# Altium PCB Inductive_Leveler.PcbDoc
Units mm, origin at the board's own origin, x right, y up, seen from the top; angles counter-clockwise.
Board outline 33 x 65 mm, 6 copper layers (Top Layer, GND1, Signal1, PWR, GND2, Bottom Layer), stack 1.584 mm thick; 36 components, 20 nets, 99 pads, 64 vias.
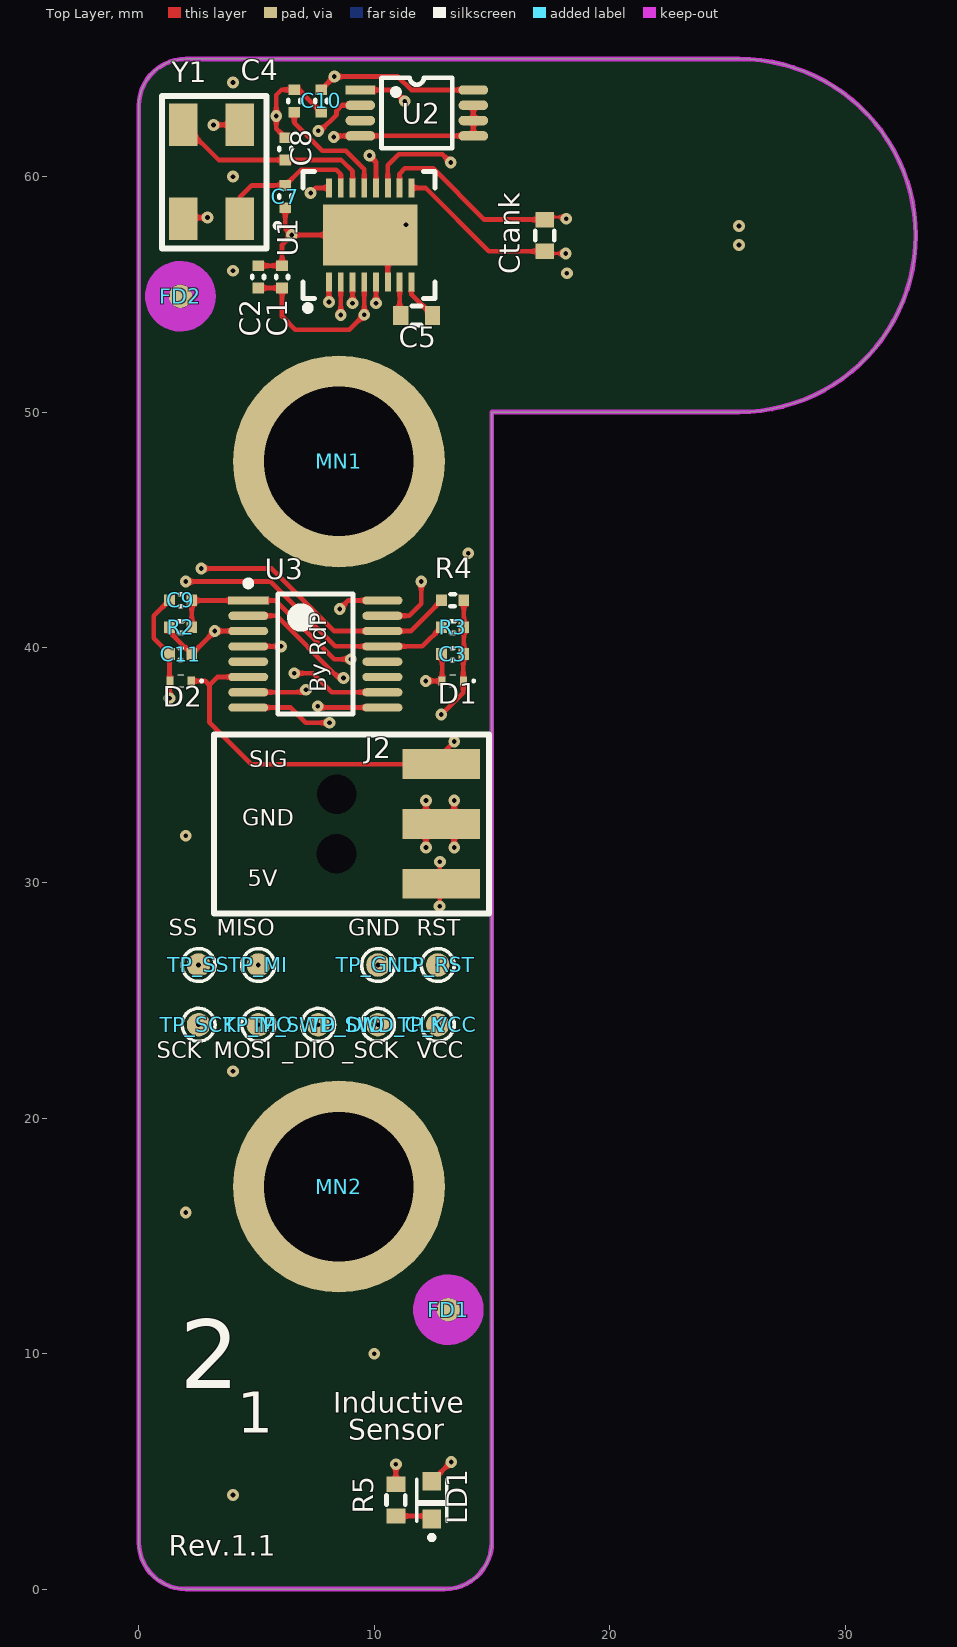
[diagram p0: Top Layer view]
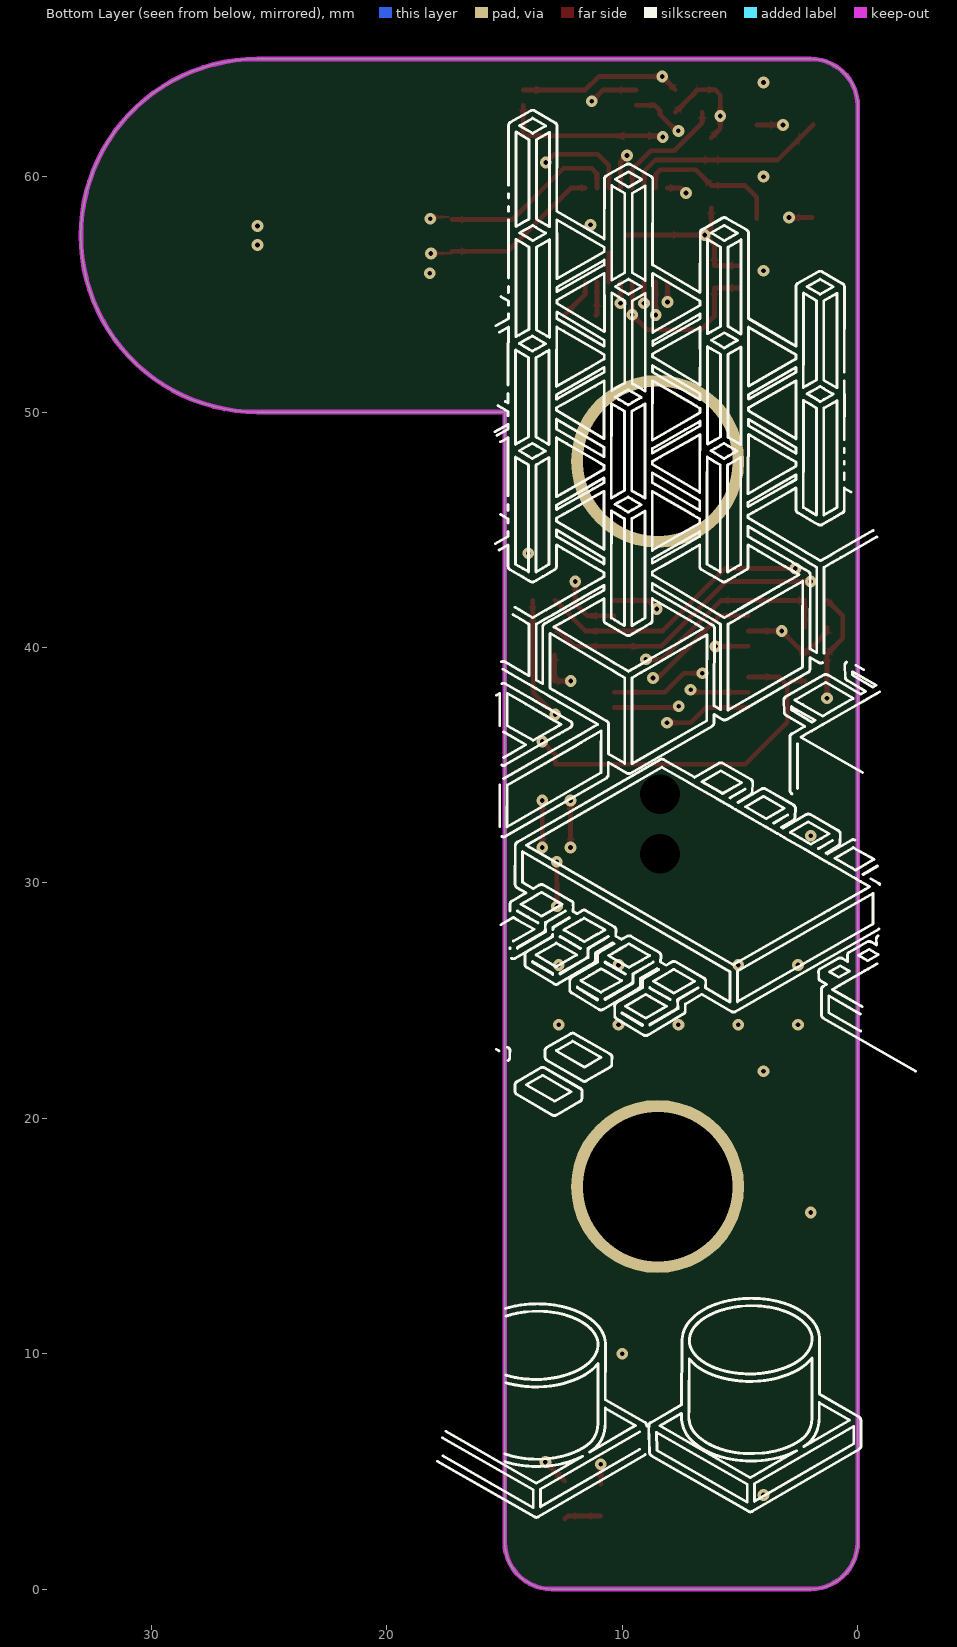
[diagram p1: Bottom Layer view, seen from below]
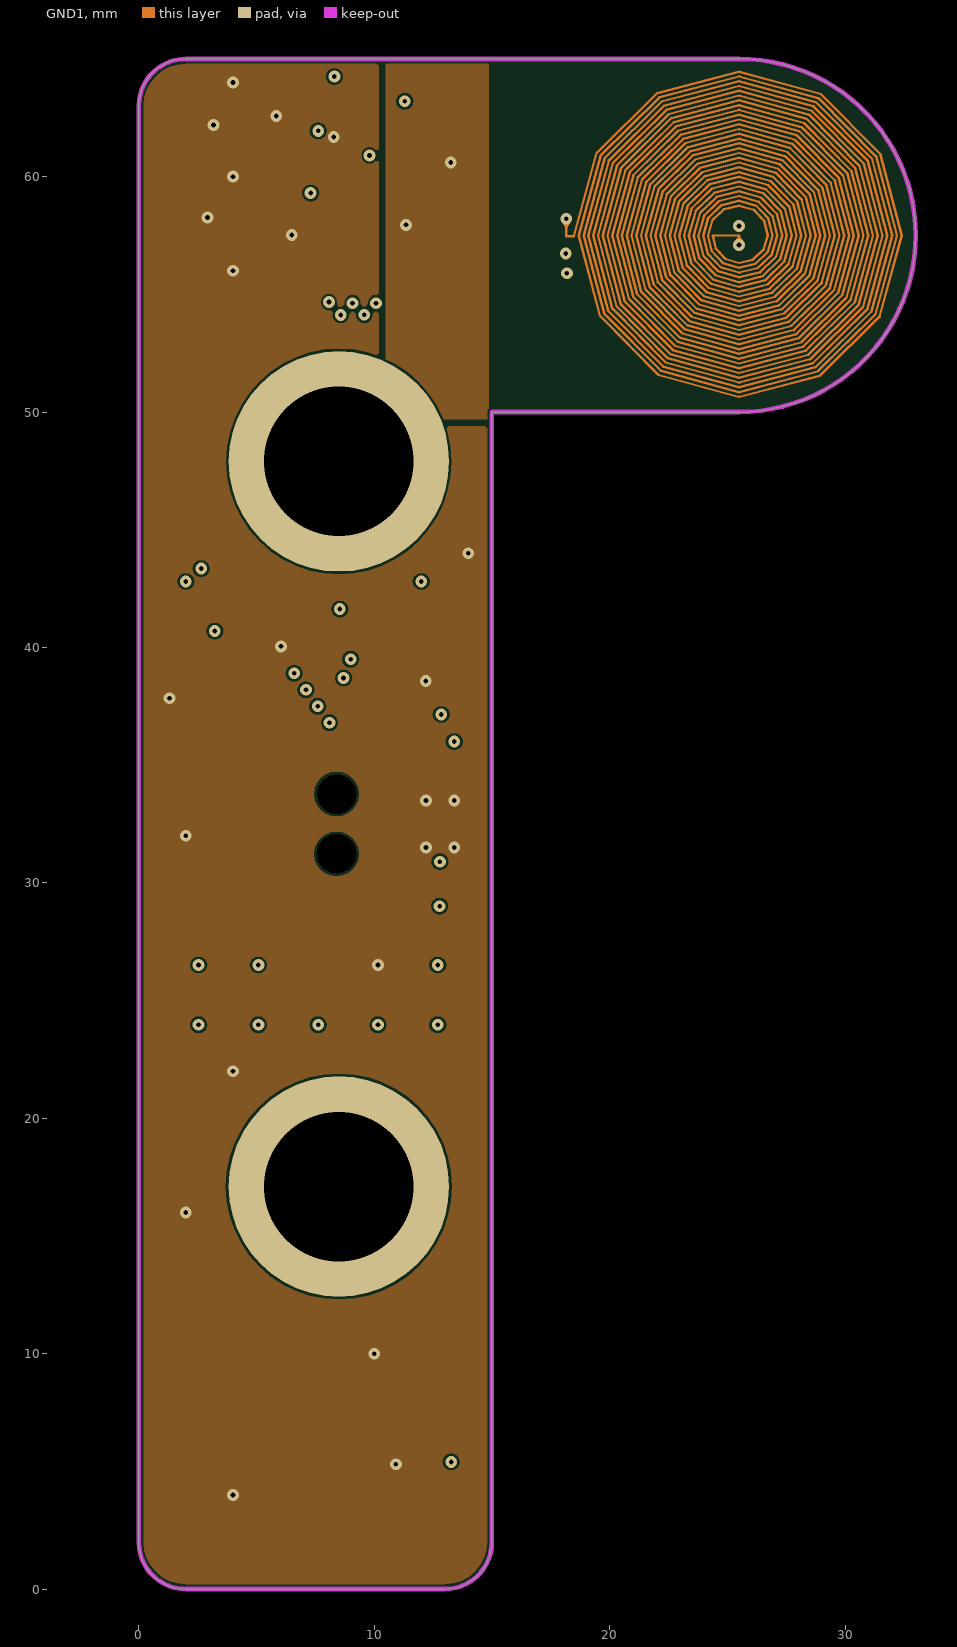
[diagram p2: GND1]
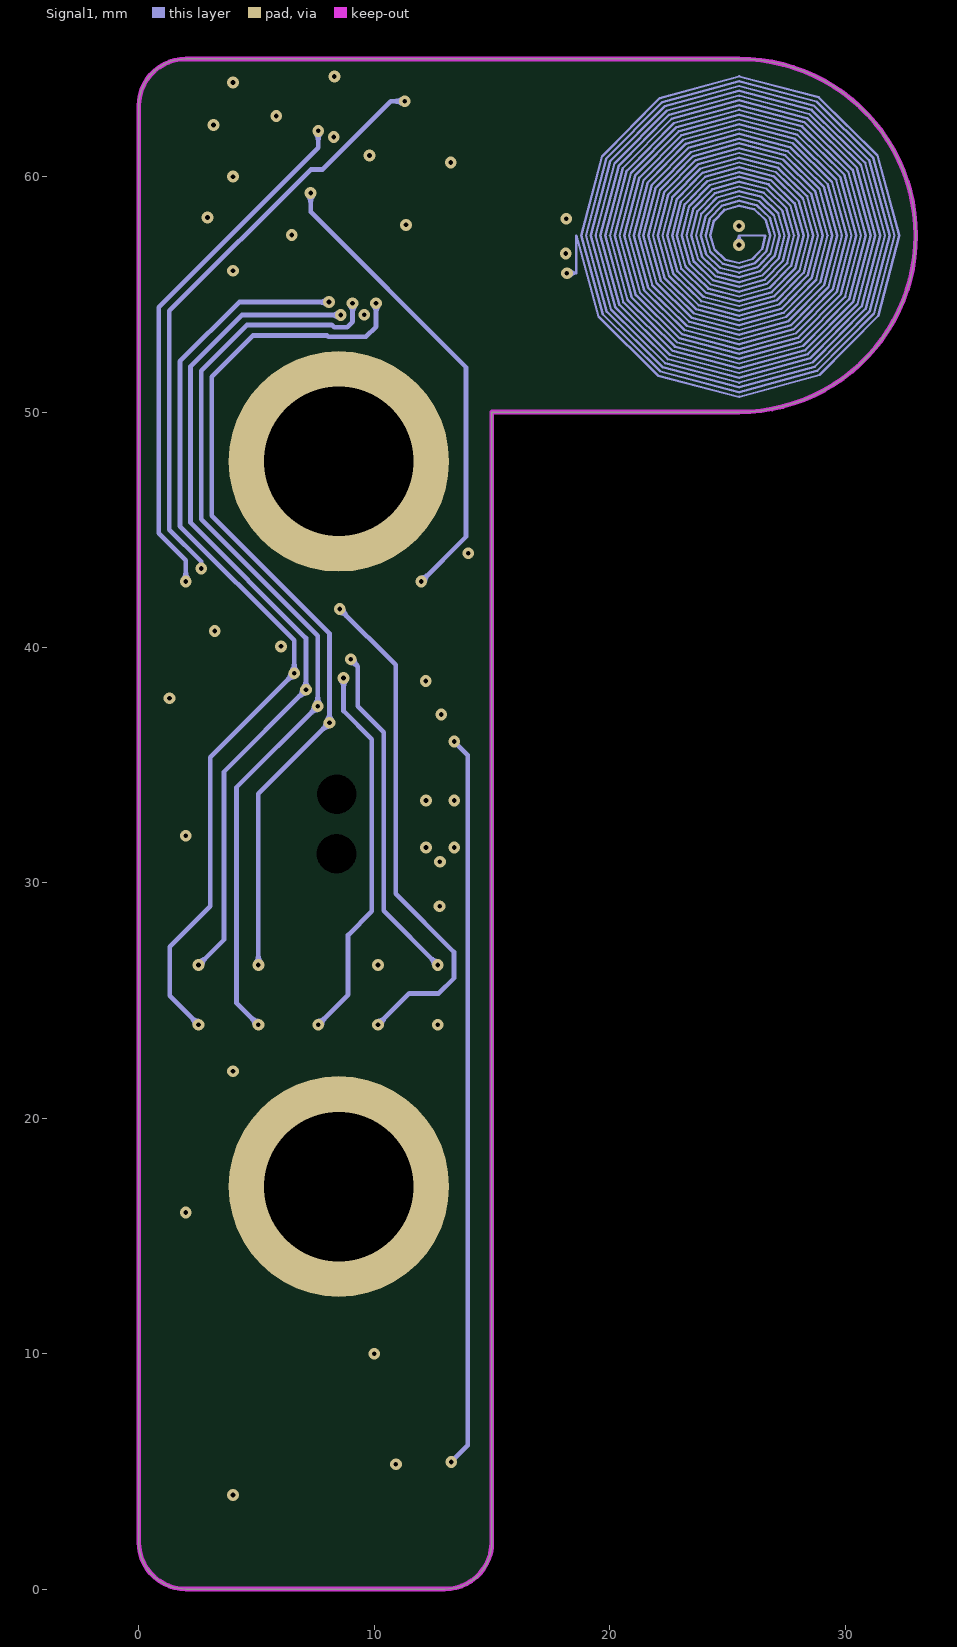
[diagram p3: Signal1]
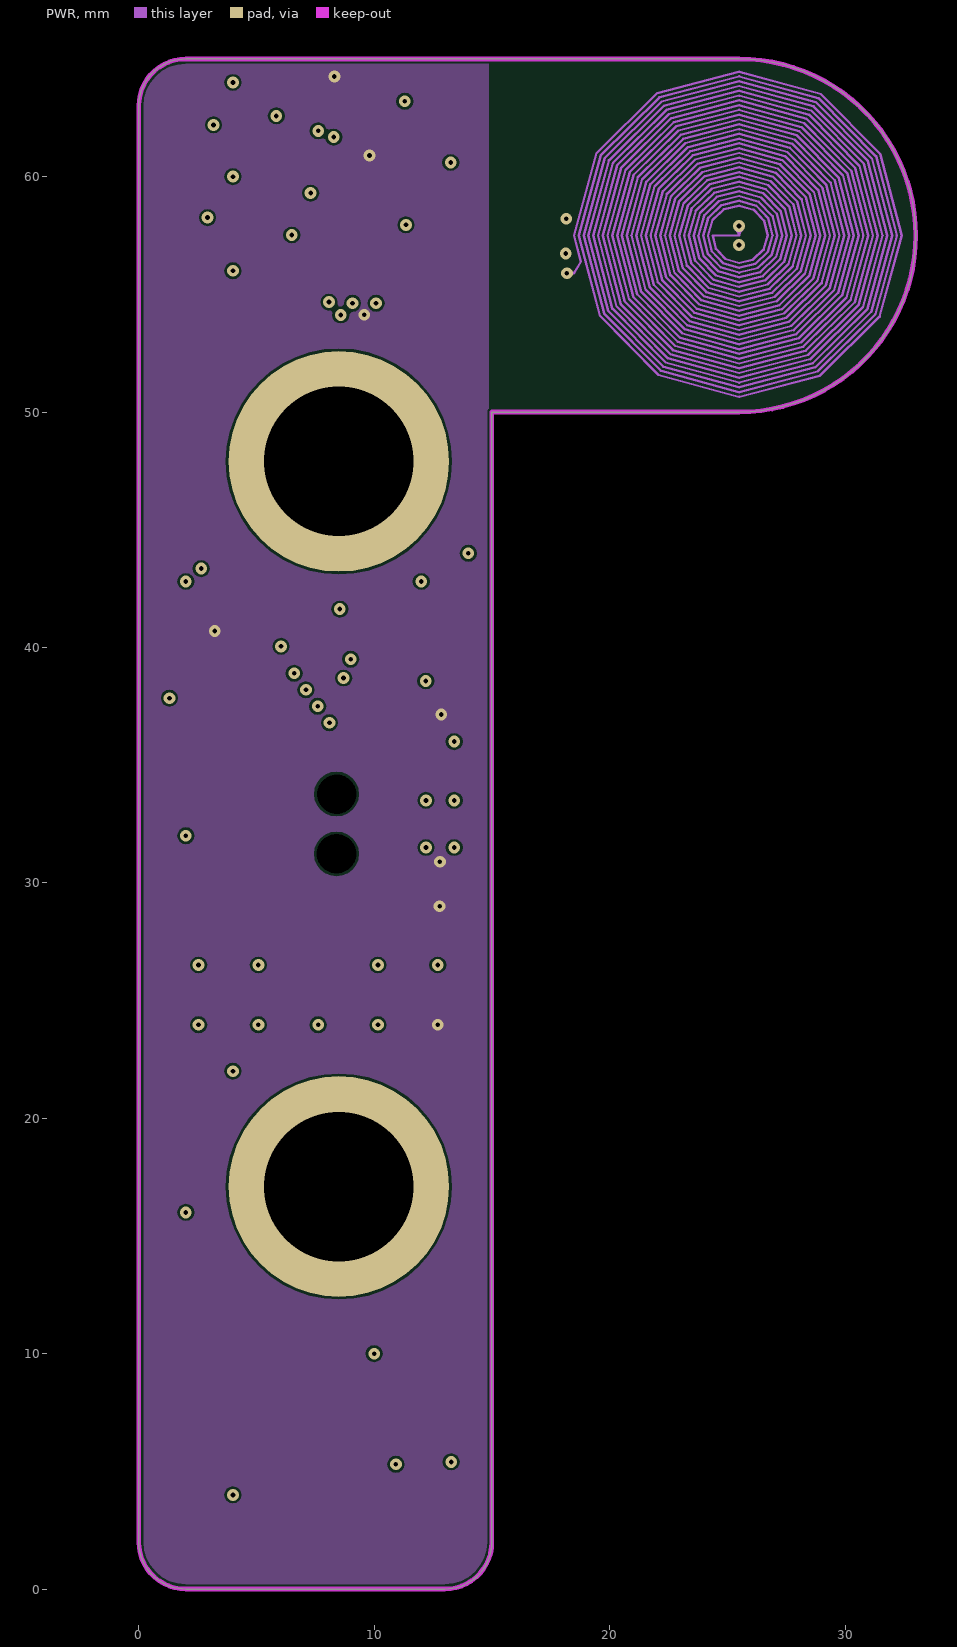
[diagram p4: PWR]
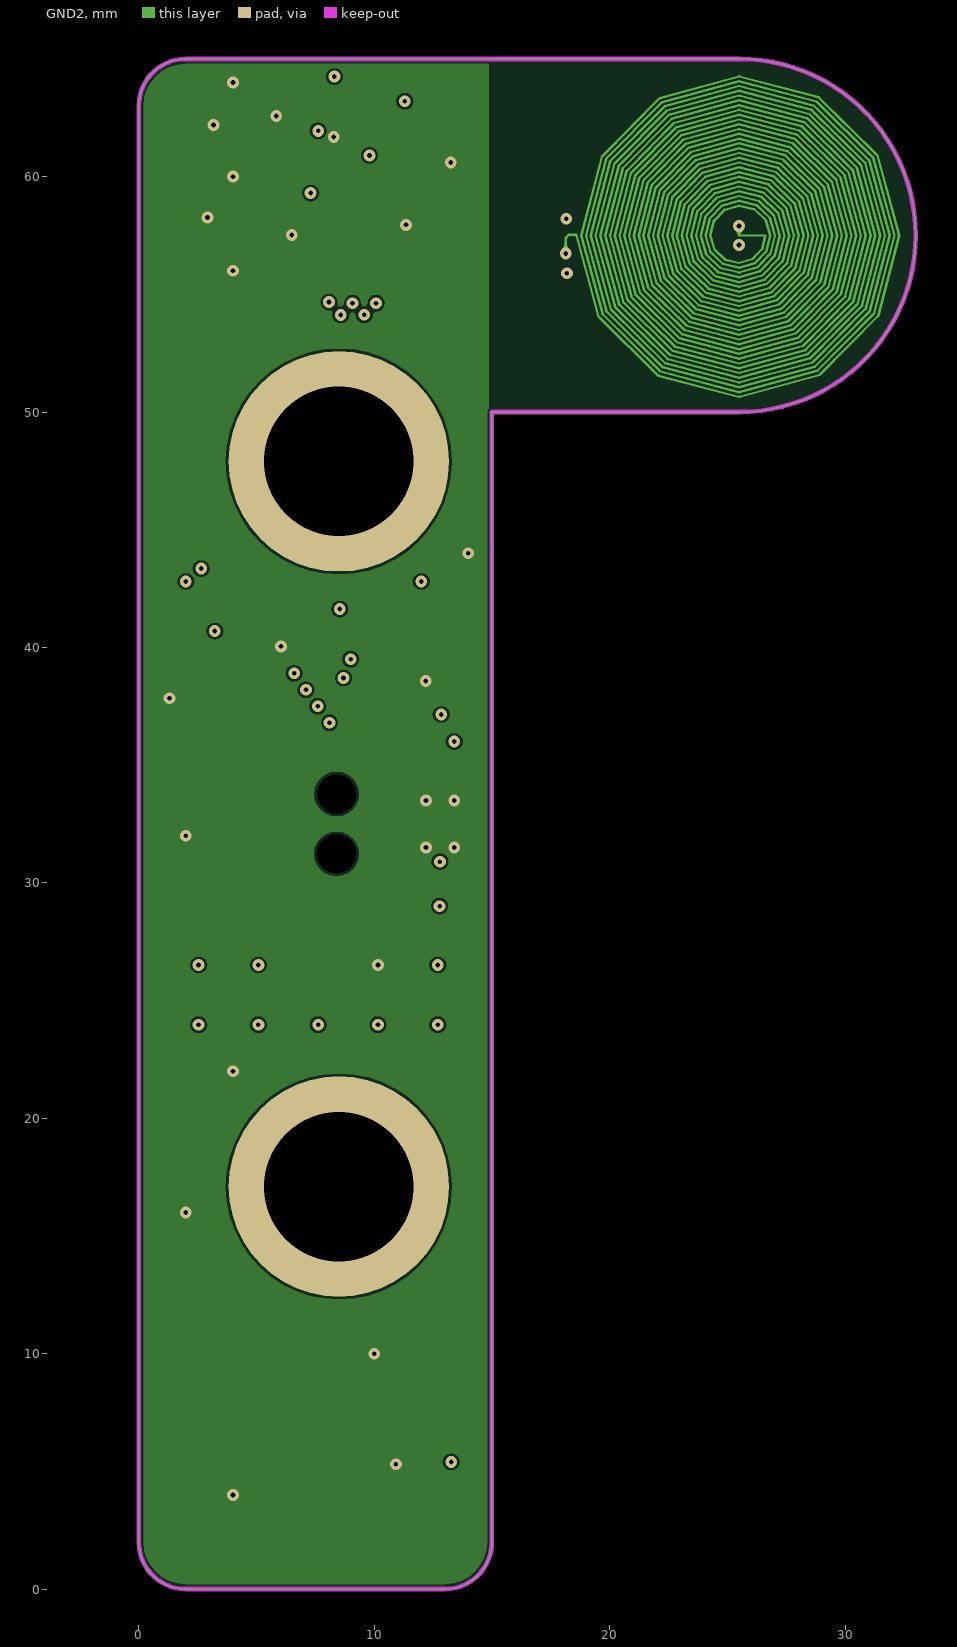
[diagram p5: GND2]
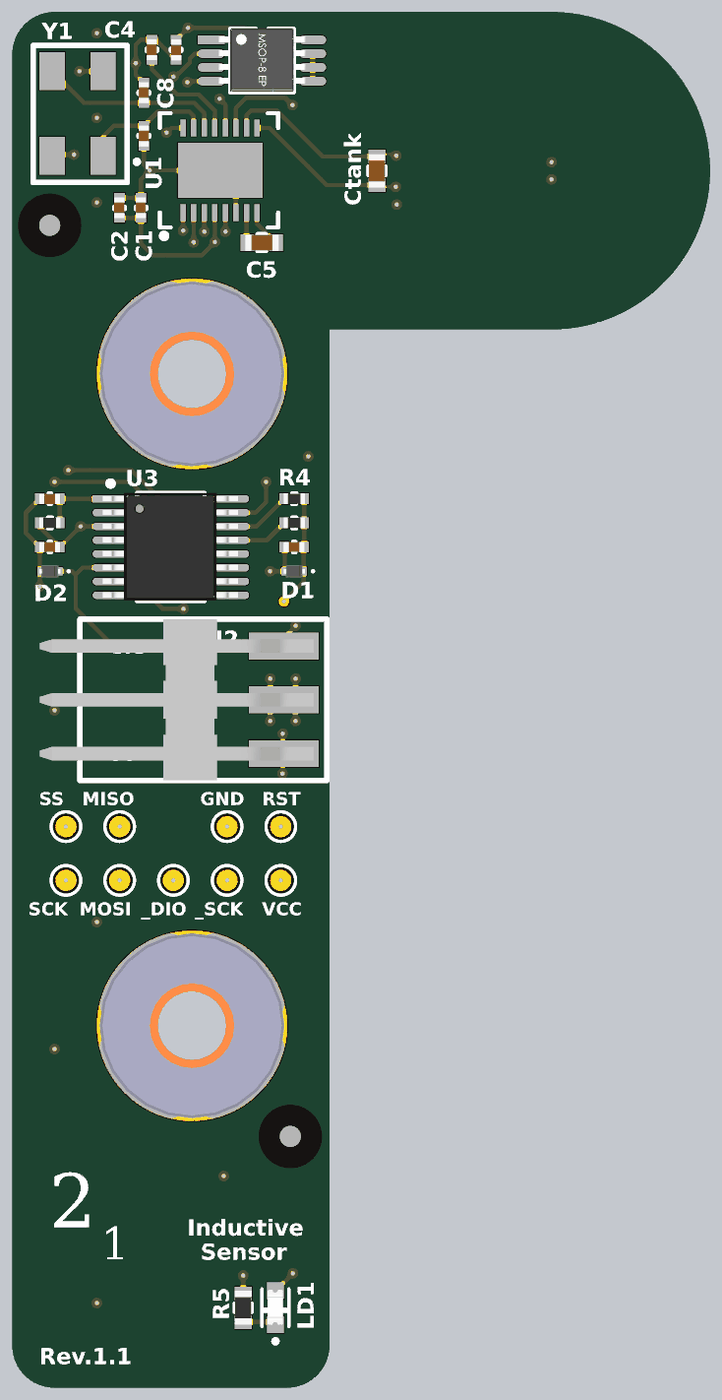
[diagram p6: 3D render of the assembled board from above, using the file's embedded part models]

## Layer stack, top to bottom
Top Solder: solder mask 0.01, Solder Resist, Dk 3.5
Top Layer: signal copper 0.042
Dielectric 1: core 0.22, Prepreg 2116, Dk 4.2
GND1: signal copper 0.035
Dielectric 5: prepreg 0.35, Dk 4.2
Signal1: signal copper 0.035
Dielectric 4: core 0.22, Dk 4.2
PWR: signal copper 0.035
Dielectric 3: prepreg 0.35, Dk 4.2
GND2: signal copper 0.035
Dielectric 2: core 0.22, Dk 4.2
Bottom Layer: signal copper 0.042
Bottom Solder: solder mask 0.01, Solder Resist, Dk 3.5

## Board outline
0,1.999 ccw(c2,1.999) 2,-0.001 13,-0.001 ccw(c13,1.999) 15,1.999 15,2 15,50 25.5,50 ccw(c25.5,57.5) 33,57.5 ccw(c25.5,57.5) 25.5,65 2,65 ccw(c2,63) 0,63

## Design rules (kind name [scope] priority, off if disabled: settings)
Clearance Clearance_KO [OnLayer('Keep-Out Layer')] p1: gap=0.102
Clearance [All] p2: gap=0.102
DiffPairsRouting [All] p1: maxlimit=4 minlimit=0.2 mostfreqgap=0.2 toplayer_mingap=0.4 toplayer_prefgap=0.4 toplayer_minwidth=0.2 toplayer_maxwidth=4 toplayer_prefwidth=0.2 midlayer1_minwidth=0.1 midlayer1_maxwidth=4 midlayer1_prefwidth=0.2 midlayer2_minwidth=0.1 midlayer2_maxwidth=4 midlayer2_prefwidth=0.2 midlayer3_minwidth=0.1 midlayer3_maxwidth=4 midlayer3_prefwidth=0.2 midlayer4_minwidth=0.1 midlayer4_maxwidth=4 midlayer4_prefwidth=0.2 bottomlayer_mingap=0.4 bottomlayer_prefgap=0.4 bottomlayer_minwidth=0.2 bottomlayer_maxwidth=4 bottomlayer_prefwidth=0.2 maxuncoupledlength=12.7
HoleSize [All] p1: absolutevalues=TRUE maxlimit=9 minlimit=0.15 maxpercent=80.000 minpercent=20.000
MinimumSolderMaskSliver [All] p1: minsoldermaskwidth=0.07
PlaneClearance [All] p1: clearance=0.2
PlaneConnect [All] p1: planeconnectstyle=Relief reliefexpansion=0.64 reliefentries=4 reliefconductorwidth=0.3 reliefairgap=0.102
PolygonConnect [(InComponentClass('All Components'))] p1: connectstyle=Relief reliefconductorwidth=0.2 reliefentries=4 polygonreliefangle="90 Angle" airgapwidth=0.15
PolygonConnect PolygonConnect_Via [All] p2: connectstyle=Direct reliefconductorwidth=0.2 reliefentries=4 polygonreliefangle="90 Angle" airgapwidth=0.15
RoutingVias [All] p1: holewidth=0.15 width=0.3 viastyle="Through Hole" minholewidth=0.15 minwidth=0.3 maxholewidth=1 maxwidth=1.5
SilkToBoardRegionClearance [All] p1 off:
SilkToSilkClearance [All] p1: silktosilkclearance=0.05
SilkToSolderMaskClearance [IsPad] p1: minsilkscreentomaskgap=0 clearancetoexposedcopper=TRUE
SolderMaskExpansion [All] p1: expansion=0.05
Width [All] p1: maxlimit=1.6 minlimit=0.101 preferedwidth=0.102
22 further rules are at their usual default settings.

## Components (designator, comment, footprint, x,y, rotation, side; value= is the part's Value field where it differs from the comment)
C1 "Capacitor" C0402 6.088,55.742 r270 top
C2 "Capacitor" C0402 5.072,55.742 r270 top
C3 "Capacitor" C0402 13.335,39.718 r0 top
C4 "Capacitor" C0402 6.604,63.213 r270 top
C5 "Capacitor" C0603 11.8,54.1 r180 top
C7 "Capacitor" C0402 6.223,59.149 r90 top
C8 "Capacitor" C0402 6.223,61.181 r270 top
C9 "Capacitor" C0402 1.778,42.004 r0 top
C10 "Capacitor" C0402 7.747,63.213 r90 top
C11 "Capacitor" C0402 1.778,39.718 r0 top
Ctank "Capacitor" C0603 17.245,57.499 r90 top
D1 "ESD9L5.0ST5G" SOD923 13.335,38.575 r0 top
D2 "ESD9L5.0ST5G" SOD923 1.778,38.575 r0 top
FD1 "Fiducial" Fiducial_1mm 13.15,11.87 r0 top
FD2 "Fiducial" Fiducial_1mm 1.77,54.92 r0 top
J2 "1x3 pin Header 2.54mm" "1x3 Header Angled SMD 2.54" 12.85,29.96 r90 top
LD1 "Red" LED0603 12.446,3.777 r0 top
MN1 "Mounting Nut" SMTSO-M4-4ET 8.5,47.9 r0 top
MN2 "Mounting Nut" SMTSO-M4-4ET 8.5,17.1 r0 top
R2 "Resistor" R0402 1.778,40.861 r180 top
R3 "Resistor" R0402 13.335,40.861 r0 top
R4 "Resistor" R0402 13.335,42.004 r0 top
R5 "Resistor" R0603 10.922,3.777 r270 top
TP_GND "Testpoint" TP_SMD_1mm 10.16,26.51 r0 top
TP_MI "Testpoint" TP_SMD_1mm 5.08,26.51 r0 top
TP_MO "Testpoint" TP_SMD_1mm 5.08,23.97 r0 top
TP_RST "Testpoint" TP_SMD_1mm 12.7,26.51 r0 top
TP_SCK "Testpoint" TP_SMD_1mm 2.54,23.97 r0 top
TP_SS "Testpoint" TP_SMD_1mm 2.54,26.51 r0 top
TP_SWD_CLK "Testpoint" TP_SMD_1mm 10.16,23.97 r90 top locked
TP_SWD_DIO "Testpoint" TP_SMD_1mm 7.62,23.97 r0 top
TP_VCC "Testpoint" TP_SMD_1mm 12.7,23.97 r0 top
U1 "LDC1000" LDC1000 8.08,55.52 r0 top
U2 "TCN75A" MSOP8 11.811,62.705 r0 top
U3 "MKE04Z8VTG4" TSSOP16 7.5,39.72 r270 top
Y1 "ABM3B-8.000MHZ-B2-T" "XTAL 5X3.2mm_alternate" 4.29,58.21 r90 top
